# KiCad board SUPAAAA_KEYBOARD.kicad_pcb
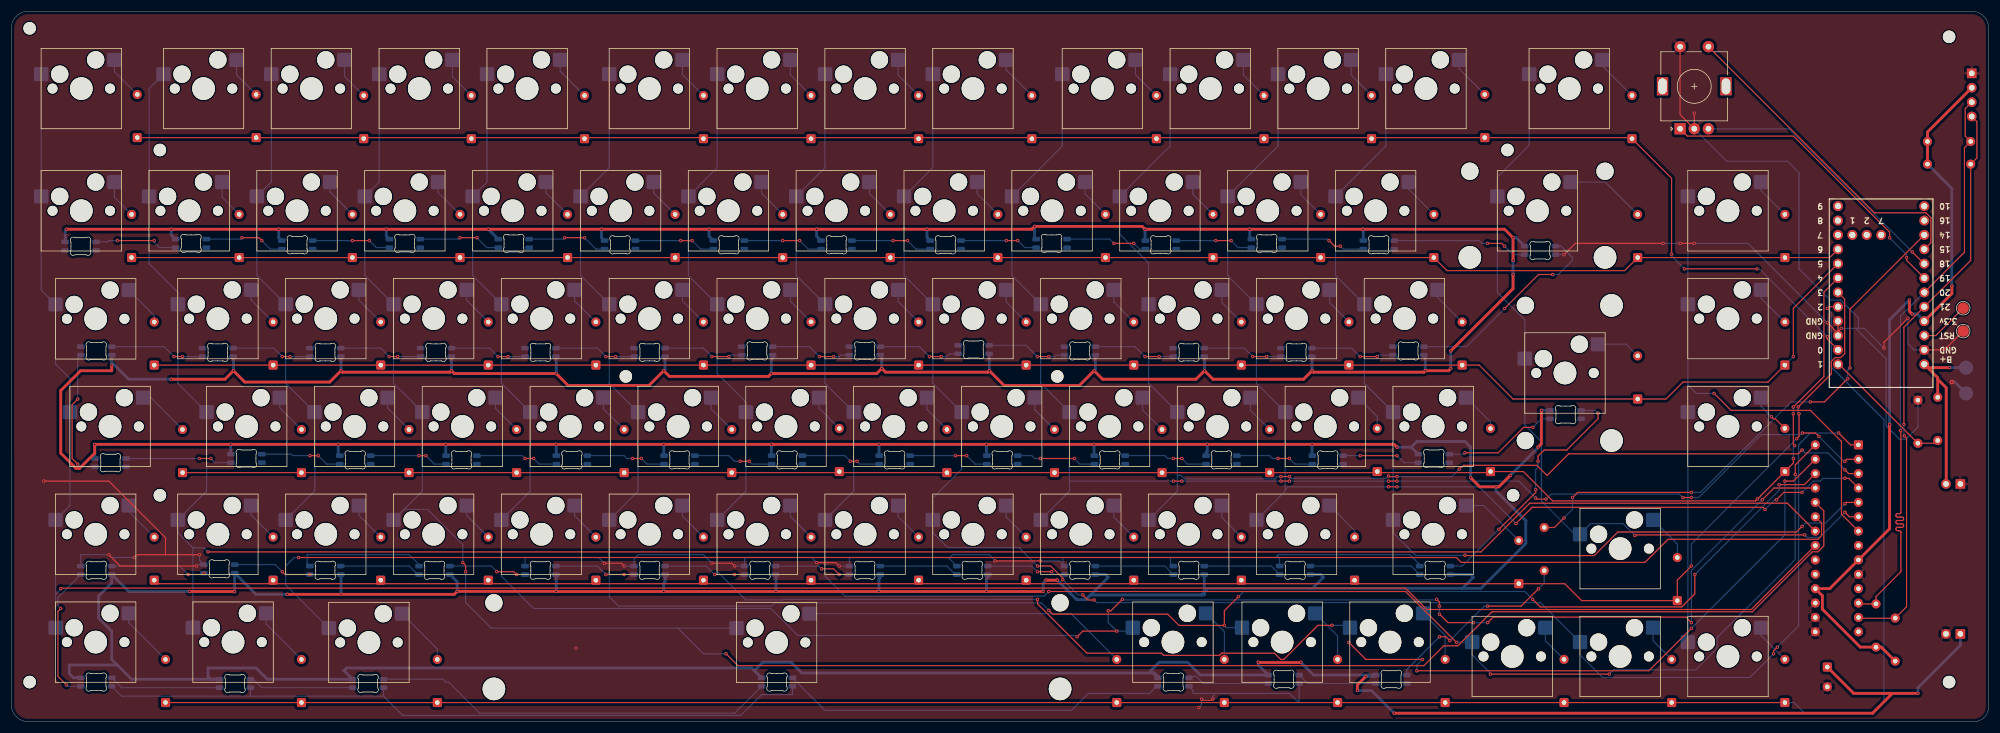
[diagram p0: board, top side]
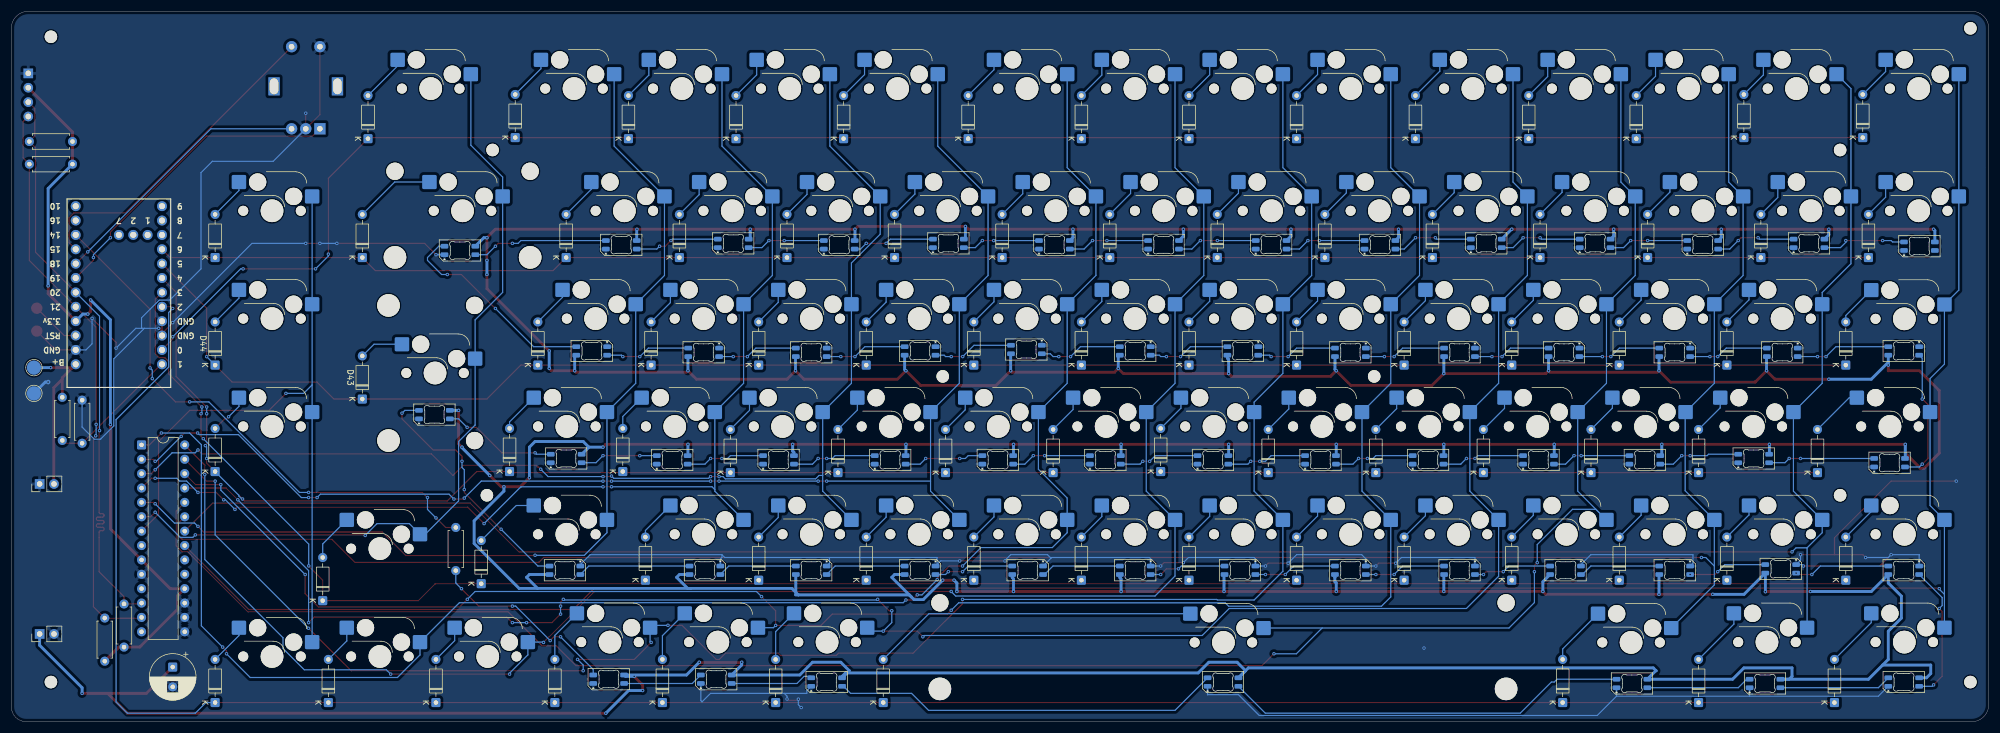
[diagram p1: board, bottom side, seen from below]

Outline 349.23 x 125.5 mm; copper layers: Top, Bottom. Coordinates in mm from the lower left corner of the outline.
Outline path: 0,122.5 arc(0.88,124.62) 3,125.5 346.23,125.5 arc(348.35,124.62) 349.23,122.5 349.23,2.62 arc(348.46,0.77) 346.61,0 3,0 arc(0.88,0.88) 0,3 0,122.5

## Placement (name value [footprint] x y rotation side)
C2  470 uf  [CP_Radial_D8.0mm_P3.50mm]  320.73 9.65 270 bottom
D1  D  [D_DO-35_SOD27_P7.62mm_Horizontal]  22.24 103.19 90 bottom
D2  D  [D_DO-35_SOD27_P7.62mm_Horizontal]  43.24 103.19 90 bottom
D3  D  [D_DO-35_SOD27_P7.62mm_Horizontal]  62.24 103 90 bottom
D4  D  [D_DO-35_SOD27_P7.62mm_Horizontal]  81.24 103 90 bottom
D5  D  [D_DO-35_SOD27_P7.62mm_Horizontal]  101.24 103 90 bottom
D6  D  [D_DO-35_SOD27_P7.62mm_Horizontal]  122.24 103 90 bottom
D7  D  [D_DO-35_SOD27_P7.62mm_Horizontal]  141.24 103 90 bottom
D8  D  [D_DO-35_SOD27_P7.62mm_Horizontal]  160.24 103 90 bottom
D9  D  [D_DO-35_SOD27_P7.62mm_Horizontal]  180.24 103 90 bottom
D10  D  [D_DO-35_SOD27_P7.62mm_Horizontal]  202.24 103 90 bottom
D11  D  [D_DO-35_SOD27_P7.62mm_Horizontal]  221.24 103 90 bottom
D12  D  [D_DO-35_SOD27_P7.62mm_Horizontal]  240.24 103 90 bottom
D13  D  [D_DO-35_SOD27_P7.62mm_Horizontal]  260.24 103.19 90 bottom
D14  D  [D_DO-35_SOD27_P7.62mm_Horizontal]  286.24 103 90 bottom
D15  D  [D_DO-35_SOD27_P7.62mm_Horizontal]  21.24 82 90 bottom
D16  D  [D_DO-35_SOD27_P7.62mm_Horizontal]  40.24 82 90 bottom
D17  D  [D_DO-35_SOD27_P7.62mm_Horizontal]  60.24 82 90 bottom
D18  D  [D_DO-35_SOD27_P7.62mm_Horizontal]  79.24 82 90 bottom
D19  D  [D_DO-35_SOD27_P7.62mm_Horizontal]  98.24 82 90 bottom
D20  D  [D_DO-35_SOD27_P7.62mm_Horizontal]  117.24 82 90 bottom
D21  D  [D_DO-35_SOD27_P7.62mm_Horizontal]  136.24 82 90 bottom
D22  D  [D_DO-35_SOD27_P7.62mm_Horizontal]  155.24 82 90 bottom
D23  D  [D_DO-35_SOD27_P7.62mm_Horizontal]  174.24 82 90 bottom
D24  D  [D_DO-35_SOD27_P7.62mm_Horizontal]  193.24 82 90 bottom
D25  D  [D_DO-35_SOD27_P7.62mm_Horizontal]  212.24 82 90 bottom
D26  D  [D_DO-35_SOD27_P7.62mm_Horizontal]  231.24 82 90 bottom
D27  D  [D_DO-35_SOD27_P7.62mm_Horizontal]  251.24 82 90 bottom
D28  D  [D_DO-35_SOD27_P7.62mm_Horizontal]  287.24 82 90 bottom
D29  D  [D_DO-35_SOD27_P7.62mm_Horizontal]  313.24 82 90 bottom
D30  D  [D_DO-35_SOD27_P7.62mm_Horizontal]  25.24 63 90 bottom
D31  D  [D_DO-35_SOD27_P7.62mm_Horizontal]  46.24 63 90 bottom
D32  D  [D_DO-35_SOD27_P7.62mm_Horizontal]  65.24 63 90 bottom
D33  D  [D_DO-35_SOD27_P7.62mm_Horizontal]  84.24 63 90 bottom
D34  D  [D_DO-35_SOD27_P7.62mm_Horizontal]  103.24 63 90 bottom
D35  D  [D_DO-35_SOD27_P7.62mm_Horizontal]  122.24 63 90 bottom
D36  D  [D_DO-35_SOD27_P7.62mm_Horizontal]  141.24 63 90 bottom
D37  D  [D_DO-35_SOD27_P7.62mm_Horizontal]  160.24 63 90 bottom
D38  D  [D_DO-35_SOD27_P7.62mm_Horizontal]  179.24 63 90 bottom
D39  D  [D_DO-35_SOD27_P7.62mm_Horizontal]  198.24 63 90 bottom
D40  D  [D_DO-35_SOD27_P7.62mm_Horizontal]  217.24 63 90 bottom
D41  D  [D_DO-35_SOD27_P7.62mm_Horizontal]  236.24 63 90 bottom
D42  D  [D_DO-35_SOD27_P7.62mm_Horizontal]  256.24 63 90 bottom
D43  D  [D_DO-35_SOD27_P7.62mm_Horizontal]  287.24 57 90 bottom
D44  D  [D_DO-35_SOD27_P7.62mm_Horizontal]  313.24 63 90 bottom
D45  D  [D_DO-35_SOD27_P7.62mm_Horizontal]  30.24 44 90 bottom
D46  D  [D_DO-35_SOD27_P7.62mm_Horizontal]  51.24 44 90 bottom
D47  D  [D_DO-35_SOD27_P7.62mm_Horizontal]  70.24 44 90 bottom
D48  D  [D_DO-35_SOD27_P7.62mm_Horizontal]  89.24 44 90 bottom
D49  D  [D_DO-35_SOD27_P7.62mm_Horizontal]  108.24 44 90 bottom
D50  D  [D_DO-35_SOD27_P7.62mm_Horizontal]  127.24 44 90 bottom
D51  D  [D_DO-35_SOD27_P7.62mm_Horizontal]  146.24 44.19 90 bottom
D52  D  [D_DO-35_SOD27_P7.62mm_Horizontal]  165.24 44 90 bottom
D53  D  [D_DO-35_SOD27_P7.62mm_Horizontal]  184.24 44 90 bottom
D54  D  [D_DO-35_SOD27_P7.62mm_Horizontal]  203.24 44 90 bottom
D55  D  [D_DO-35_SOD27_P7.62mm_Horizontal]  222.24 44 90 bottom
D56  D  [D_DO-35_SOD27_P7.62mm_Horizontal]  241.24 44.19 90 bottom
D57  D  [D_DO-35_SOD27_P7.62mm_Horizontal]  261.24 44.19 90 bottom
D58  D  [D_DO-35_SOD27_P7.62mm_Horizontal]  313.24 44.19 90 bottom
D59  D  [D_DO-35_SOD27_P7.62mm_Horizontal]  25.24 25 90 bottom
D60  D  [D_DO-35_SOD27_P7.62mm_Horizontal]  46.24 25 90 bottom
D61  D  [D_DO-35_SOD27_P7.62mm_Horizontal]  65.24 25 90 bottom
D62  D  [D_DO-35_SOD27_P7.62mm_Horizontal]  84.24 25 90 bottom
D63  D  [D_DO-35_SOD27_P7.62mm_Horizontal]  103.24 25 90 bottom
D64  D  [D_DO-35_SOD27_P7.62mm_Horizontal]  122.24 25 90 bottom
D65  D  [D_DO-35_SOD27_P7.62mm_Horizontal]  141.24 25 90 bottom
D66  D  [D_DO-35_SOD27_P7.62mm_Horizontal]  160.24 25 90 bottom
D67  D  [D_DO-35_SOD27_P7.62mm_Horizontal]  179.24 25 90 bottom
D68  D  [D_DO-35_SOD27_P7.62mm_Horizontal]  198.24 25 90 bottom
D69  D  [D_DO-35_SOD27_P7.62mm_Horizontal]  217.24 25 90 bottom
D70  D  [D_DO-35_SOD27_P7.62mm_Horizontal]  237.24 25 90 bottom
D71  D  [D_DO-35_SOD27_P7.62mm_Horizontal]  266.24 24.38 90 bottom
D72  D  [D_DO-35_SOD27_P7.62mm_Horizontal]  294.24 21.38 90 bottom
D73  D  [D_DO-35_SOD27_P7.62mm_Horizontal]  313.24 3.38 90 bottom
D74  D  [D_DO-35_SOD27_P7.62mm_Horizontal]  27.24 3.38 90 bottom
D75  D  [D_DO-35_SOD27_P7.62mm_Horizontal]  51.24 3.38 90 bottom
D76  D  [D_DO-35_SOD27_P7.62mm_Horizontal]  75.24 3.38 90 bottom
D77  D  [D_DO-35_SOD27_P7.62mm_Horizontal]  195.24 3.38 90 bottom
D78  D  [D_DO-35_SOD27_P7.62mm_Horizontal]  214.24 3.38 90 bottom
D79  D  [D_DO-35_SOD27_P7.62mm_Horizontal]  234.24 3.38 90 bottom
D80  D  [D_DO-35_SOD27_P7.62mm_Horizontal]  253.24 3.38 90 bottom
D81  D  [D_DO-35_SOD27_P7.62mm_Horizontal]  274.24 3.38 90 bottom
D82  D  [D_DO-35_SOD27_P7.62mm_Horizontal]  293.24 3.38 90 bottom
H1  MountingHole  [MountingHole_2.2mm_M2]  264.24 101 0 top
H2  MountingHole  [MountingHole_2.2mm_M2]  26.24 40 0 top
H3  MountingHole  [MountingHole_2.2mm_M2]  265.24 40 0 top
H4  MountingHole  [MountingHole_2.2mm_M2]  26.24 101 0 top
H5  MountingHole  [MountingHole_2.2mm_M2]  342.24 121 0 top
H6  MountingHole  [MountingHole_2.2mm_M2]  3.23 7 0 top
H7  MountingHole  [MountingHole_2.2mm_M2]  342.24 7 0 top
H8  MountingHole  [MountingHole_2.2mm_M2]  3.23 122.5 0 top
H9  MountingHole  [MountingHole_2.2mm_M2]  108.53 61 0 top
H10  MountingHole  [MountingHole_2.2mm_M2]  184.73 61 0 top
J1  -  [OLED_128x32]  347.84 104.74 180 top
J2  Conn_01x02_Pin  [PinHeader_1x02_P2.54mm_Vertical]  344.23 42 90 bottom
J3  Conn_01x02_Pin  [PinHeader_1x02_P2.54mm_Vertical]  344.23 15.5 90 bottom
LD1  SK6812MINI-E  [LED_SK6812MINI-E_3.2x2.8mm_P1.5mm_ReverseMount]  243.73 7.5 180 bottom
LD2  SK6812MINI-E  [LED_SK6812MINI-E_3.2x2.8mm_P1.5mm_ReverseMount]  224.73 7.5 180 bottom
LD3  SK6812MINI-E  [LED_SK6812MINI-E_3.2x2.8mm_P1.5mm_ReverseMount]  205.23 7 180 bottom
LD4  SK6812MINI-E  [LED_SK6812MINI-E_3.2x2.8mm_P1.5mm_ReverseMount]  135.23 7 180 bottom
LD5  SK6812MINI-E  [LED_SK6812MINI-E_3.2x2.8mm_P1.5mm_ReverseMount]  63.01 6.75 180 bottom
LD6  SK6812MINI-E  [LED_SK6812MINI-E_3.2x2.8mm_P1.5mm_ReverseMount]  39.51 6.75 180 bottom
LD7  SK6812MINI-E  [LED_SK6812MINI-E_3.2x2.8mm_P1.5mm_ReverseMount]  15.01 7 180 bottom
LD8  SK6812MINI-E  [LED_SK6812MINI-E_3.2x2.8mm_P1.5mm_ReverseMount]  15.01 26.75 0 bottom
LD9  SK6812MINI-E  [LED_SK6812MINI-E_3.2x2.8mm_P1.5mm_ReverseMount]  36.73 27 0 bottom
LD10  SK6812MINI-E  [LED_SK6812MINI-E_3.2x2.8mm_P1.5mm_ReverseMount]  55.46 26.75 0 bottom
LD11  SK6812MINI-E  [LED_SK6812MINI-E_3.2x2.8mm_P1.5mm_ReverseMount]  74.73 26.75 0 bottom
LD12  SK6812MINI-E  [LED_SK6812MINI-E_3.2x2.8mm_P1.5mm_ReverseMount]  93.46 26.75 0 bottom
LD13  SK6812MINI-E  [LED_SK6812MINI-E_3.2x2.8mm_P1.5mm_ReverseMount]  112.73 26.75 0 bottom
LD14  SK6812MINI-E  [LED_SK6812MINI-E_3.2x2.8mm_P1.5mm_ReverseMount]  132.23 26.75 0 bottom
LD15  SK6812MINI-E  [LED_SK6812MINI-E_3.2x2.8mm_P1.5mm_ReverseMount]  150.73 26.75 0 bottom
LD16  SK6812MINI-E  [LED_SK6812MINI-E_3.2x2.8mm_P1.5mm_ReverseMount]  169.73 26.75 0 bottom
LD17  SK6812MINI-E  [LED_SK6812MINI-E_3.2x2.8mm_P1.5mm_ReverseMount]  188.73 26.75 0 bottom
LD18  SK6812MINI-E  [LED_SK6812MINI-E_3.2x2.8mm_P1.5mm_ReverseMount]  207.96 26.75 0 bottom
LD19  SK6812MINI-E  [LED_SK6812MINI-E_3.2x2.8mm_P1.5mm_ReverseMount]  226.73 26.75 0 bottom
LD20  SK6812MINI-E  [LED_SK6812MINI-E_3.2x2.8mm_P1.5mm_ReverseMount]  251.46 26.75 0 bottom
LD21  SK6812MINI-E  [LED_SK6812MINI-E_3.2x2.8mm_P1.5mm_ReverseMount]  274.51 54.25 180 bottom
LD22  SK6812MINI-E  [LED_SK6812MINI-E_3.2x2.8mm_P1.5mm_ReverseMount]  251.23 46.5 180 bottom
LD23  SK6812MINI-E  [LED_SK6812MINI-E_3.2x2.8mm_P1.5mm_ReverseMount]  232.51 46.25 180 bottom
LD24  SK6812MINI-E  [LED_SK6812MINI-E_3.2x2.8mm_P1.5mm_ReverseMount]  213.73 46.25 180 bottom
LD25  SK6812MINI-E  [LED_SK6812MINI-E_3.2x2.8mm_P1.5mm_ReverseMount]  194.01 46.25 180 bottom
LD26  SK6812MINI-E  [LED_SK6812MINI-E_3.2x2.8mm_P1.5mm_ReverseMount]  175.01 46.25 180 bottom
LD27  SK6812MINI-E  [LED_SK6812MINI-E_3.2x2.8mm_P1.5mm_ReverseMount]  156.01 46.25 180 bottom
LD28  SK6812MINI-E  [LED_SK6812MINI-E_3.2x2.8mm_P1.5mm_ReverseMount]  137.01 46.25 180 bottom
LD29  SK6812MINI-E  [LED_SK6812MINI-E_3.2x2.8mm_P1.5mm_ReverseMount]  118.01 46.25 180 bottom
LD30  SK6812MINI-E  [LED_SK6812MINI-E_3.2x2.8mm_P1.5mm_ReverseMount]  99.01 46.25 180 bottom
LD31  SK6812MINI-E  [LED_SK6812MINI-E_3.2x2.8mm_P1.5mm_ReverseMount]  79.51 46.25 180 bottom
LD32  SK6812MINI-E  [LED_SK6812MINI-E_3.2x2.8mm_P1.5mm_ReverseMount]  60.73 46.25 180 bottom
LD33  SK6812MINI-E  [LED_SK6812MINI-E_3.2x2.8mm_P1.5mm_ReverseMount]  41.51 46.5 180 bottom
LD34  SK6812MINI-E  [LED_SK6812MINI-E_3.2x2.8mm_P1.5mm_ReverseMount]  17.51 45.75 180 bottom
LD35  SK6812MINI-E  [LED_SK6812MINI-E_3.2x2.8mm_P1.5mm_ReverseMount]  15.01 65.5 0 bottom
LD36  SK6812MINI-E  [LED_SK6812MINI-E_3.2x2.8mm_P1.5mm_ReverseMount]  36.46 65.25 0 bottom
LD37  SK6812MINI-E  [LED_SK6812MINI-E_3.2x2.8mm_P1.5mm_ReverseMount]  55.46 65.25 0 bottom
LD38  SK6812MINI-E  [LED_SK6812MINI-E_3.2x2.8mm_P1.5mm_ReverseMount]  75.01 65.25 0 bottom
LD39  SK6812MINI-E  [LED_SK6812MINI-E_3.2x2.8mm_P1.5mm_ReverseMount]  93.46 65.25 0 bottom
LD40  SK6812MINI-E  [LED_SK6812MINI-E_3.2x2.8mm_P1.5mm_ReverseMount]  112.73 65.25 0 bottom
LD41  SK6812MINI-E  [LED_SK6812MINI-E_3.2x2.8mm_P1.5mm_ReverseMount]  131.73 65.5 0 bottom
LD42  SK6812MINI-E  [LED_SK6812MINI-E_3.2x2.8mm_P1.5mm_ReverseMount]  150.73 65.5 0 bottom
LD43  SK6812MINI-E  [LED_SK6812MINI-E_3.2x2.8mm_P1.5mm_ReverseMount]  169.96 65.75 0 bottom
LD44  SK6812MINI-E  [LED_SK6812MINI-E_3.2x2.8mm_P1.5mm_ReverseMount]  188.73 65.5 0 bottom
LD45  SK6812MINI-E  [LED_SK6812MINI-E_3.2x2.8mm_P1.5mm_ReverseMount]  207.96 65.25 0 bottom
LD46  SK6812MINI-E  [LED_SK6812MINI-E_3.2x2.8mm_P1.5mm_ReverseMount]  226.96 65.25 0 bottom
LD47  SK6812MINI-E  [LED_SK6812MINI-E_3.2x2.8mm_P1.5mm_ReverseMount]  246.73 65.5 0 bottom
LD48  SK6812MINI-E  [LED_SK6812MINI-E_3.2x2.8mm_P1.5mm_ReverseMount]  270.01 83.25 180 bottom
LD49  SK6812MINI-E  [LED_SK6812MINI-E_3.2x2.8mm_P1.5mm_ReverseMount]  241.51 84.25 180 bottom
LD50  SK6812MINI-E  [LED_SK6812MINI-E_3.2x2.8mm_P1.5mm_ReverseMount]  221.73 84.5 180 bottom
LD51  SK6812MINI-E  [LED_SK6812MINI-E_3.2x2.8mm_P1.5mm_ReverseMount]  203.01 84.25 180 bottom
LD52  SK6812MINI-E  [LED_SK6812MINI-E_3.2x2.8mm_P1.5mm_ReverseMount]  183.73 84.5 180 bottom
LD53  SK6812MINI-E  [LED_SK6812MINI-E_3.2x2.8mm_P1.5mm_ReverseMount]  165.01 84.25 180 bottom
LD54  SK6812MINI-E  [LED_SK6812MINI-E_3.2x2.8mm_P1.5mm_ReverseMount]  145.73 84.25 180 bottom
LD55  SK6812MINI-E  [LED_SK6812MINI-E_3.2x2.8mm_P1.5mm_ReverseMount]  126.73 84.25 180 bottom
LD56  SK6812MINI-E  [LED_SK6812MINI-E_3.2x2.8mm_P1.5mm_ReverseMount]  107.51 84.25 180 bottom
LD57  SK6812MINI-E  [LED_SK6812MINI-E_3.2x2.8mm_P1.5mm_ReverseMount]  88.73 84.5 180 bottom
LD58  SK6812MINI-E  [LED_SK6812MINI-E_3.2x2.8mm_P1.5mm_ReverseMount]  69.51 84.5 180 bottom
LD59  SK6812MINI-E  [LED_SK6812MINI-E_3.2x2.8mm_P1.5mm_ReverseMount]  50.51 84.25 180 bottom
LD60  SK6812MINI-E  [LED_SK6812MINI-E_3.2x2.8mm_P1.5mm_ReverseMount]  31.73 84.5 180 bottom
LD61  SK6812MINI-E  [LED_SK6812MINI-E_3.2x2.8mm_P1.5mm_ReverseMount]  12.23 84 180 bottom
R1  330  [R_Axial_DIN0207_L6.3mm_D2.5mm_P7.62mm_Horizontal]  270.73 34.31 270 bottom
R2  4.7K  [R_Axial_DIN0207_L6.3mm_D2.5mm_P7.62mm_Horizontal]  338.43 98.5 0 bottom
R3  4.7K  [R_Axial_DIN0207_L6.3mm_D2.5mm_P7.62mm_Horizontal]  338.43 102.5 0 bottom
R4  820K  [R_Axial_DIN0207_L6.3mm_D2.5mm_P7.62mm_Horizontal]  340.23 57.31 270 bottom
R5  2M  [R_Axial_DIN0207_L6.3mm_D2.5mm_P7.62mm_Horizontal]  336.73 49.19 90 bottom
R6  4.7K  [R_Axial_DIN0207_L6.3mm_D2.5mm_P7.62mm_Horizontal]  332.73 10.69 90 bottom
R7  4.7K  [R_Axial_DIN0207_L6.3mm_D2.5mm_P7.62mm_Horizontal]  329.33 13.18 90 bottom
ST1  MountingHole  [Stabilizer_MX_6.25u]  135.23 14.01 0 top
ST2  MountingHole  [Stabilizer_MX_2.00u]  269.54 90.26 0 top
ST3  MountingHole  [Stabilizer_MX_2.00u]  274.39 61.6 90 top
SW1  SW_Push  [Hotswap_MX_1.00u]  12.36 111.85 0 top
SW2  SW_Push  [Hotswap_MX_1.00u]  33.95 111.85 0 top
SW3  SW_Push  [Hotswap_MX_1.00u]  53 111.85 0 top
SW4  SW_Push  [Hotswap_MX_1.00u]  72.05 111.85 0 top
SW5  SW_Push  [Hotswap_MX_1.00u]  91.1 111.85 0 top
SW6  SW_Push  [Hotswap_MX_1.00u]  112.69 111.85 0 top
SW7  SW_Push  [Hotswap_MX_1.00u]  131.74 111.85 0 top
SW8  SW_Push  [Hotswap_MX_1.00u]  150.79 111.85 0 top
SW9  SW_Push  [Hotswap_MX_1.00u]  169.84 111.85 0 top
SW10  SW_Push  [Hotswap_MX_1.00u]  192.7 111.85 0 top
SW11  SW_Push  [Hotswap_MX_1.00u]  211.75 111.85 0 top
SW12  SW_Push  [Hotswap_MX_1.00u]  230.8 111.85 0 top
SW13  SW_Push  [Hotswap_MX_1.00u]  249.85 111.85 0 top
SW14  SW_Push  [Hotswap_MX_1.00u]  275.16 111.85 0 top
SW15  SW_Push  [Hotswap_MX_1.00u]  12.36 90.26 0 top
SW16  SW_Push  [Hotswap_MX_1.00u]  31.41 90.26 0 top
SW17  SW_Push  [Hotswap_MX_1.00u]  50.46 90.26 0 top
SW18  SW_Push  [Hotswap_MX_1.00u]  69.51 90.26 0 top
SW19  SW_Push  [Hotswap_MX_1.00u]  88.56 90.26 0 top
SW20  SW_Push  [Hotswap_MX_1.00u]  107.61 90.26 0 top
SW21  SW_Push  [Hotswap_MX_1.00u]  126.66 90.26 0 top
SW22  SW_Push  [Hotswap_MX_1.00u]  145.71 90.26 0 top
SW23  SW_Push  [Hotswap_MX_1.00u]  164.76 90.26 0 top
SW24  SW_Push  [Hotswap_MX_1.00u]  183.81 90.26 0 top
SW25  SW_Push  [Hotswap_MX_1.00u]  202.86 90.26 0 top
SW26  SW_Push  [Hotswap_MX_1.00u]  221.91 90.26 0 top
SW27  SW_Push  [Hotswap_MX_1.00u]  240.96 90.26 0 top
SW28  SW_Push  [Hotswap_MX_2.00u]  269.54 90.26 0 top
SW29  SW_Push  [Hotswap_MX_1.00u]  303.19 90.26 0 top
SW30  SW_Push  [Hotswap_MX_1.25u]  14.9 71.17 0 top
SW31  SW_Push  [Hotswap_MX_1.00u]  36.49 71.21 0 top
SW32  SW_Push  [Hotswap_MX_1.00u]  55.54 71.21 0 top
SW33  SW_Push  [Hotswap_MX_1.00u]  74.59 71.21 0 top
SW34  SW_Push  [Hotswap_MX_1.00u]  93.64 71.21 0 top
SW35  SW_Push  [Hotswap_MX_1.00u]  112.69 71.21 0 top
SW36  SW_Push  [Hotswap_MX_1.00u]  131.74 71.21 0 top
SW37  SW_Push  [Hotswap_MX_1.00u]  150.79 71.21 0 top
SW38  SW_Push  [Hotswap_MX_1.00u]  169.84 71.21 0 top
SW39  SW_Push  [Hotswap_MX_1.00u]  188.89 71.21 0 top
SW40  SW_Push  [Hotswap_MX_1.00u]  207.94 71.21 0 top
SW41  SW_Push  [Hotswap_MX_1.00u]  226.99 71.21 0 top
SW42  SW_Push  [Hotswap_MX_1.00u]  246.04 71.21 0 top
SW43  SW_Push  [Hotswap_MX_ISOEnter]  274.4 61.6 0 top
SW44  SW_Push  [Hotswap_MX_1.00u]  303.19 71.21 0 top
SW45  SW_Push  [Hotswap_MX_1.50u]  17.44 52.16 0 top
SW46  SW_Push  [Hotswap_MX_1.00u]  41.57 52.16 0 top
SW47  SW_Push  [Hotswap_MX_1.00u]  60.62 52.16 0 top
SW48  SW_Push  [Hotswap_MX_1.00u]  79.67 52.16 0 top
SW49  SW_Push  [Hotswap_MX_1.00u]  98.72 52.16 0 top
SW50  SW_Push  [Hotswap_MX_1.00u]  117.77 52.16 0 top
SW51  SW_Push  [Hotswap_MX_1.00u]  136.82 52.16 0 top
SW52  SW_Push  [Hotswap_MX_1.00u]  155.87 52.16 0 top
SW53  SW_Push  [Hotswap_MX_1.00u]  174.92 52.16 0 top
SW54  SW_Push  [Hotswap_MX_1.00u]  193.97 52.16 0 top
SW55  SW_Push  [Hotswap_MX_1.00u]  213.02 52.16 0 top
SW56  SW_Push  [Hotswap_MX_1.00u]  232.07 52.16 0 top
SW57  SW_Push  [Hotswap_MX_1.00u]  251.12 52.16 0 top
SW58  SW_Push  [Hotswap_MX_1.00u]  303.19 52.16 0 top
SW59  SW_Push  [Hotswap_MX_1.25u]  14.9 33.11 0 top
SW60  SW_Push  [Hotswap_MX_1.00u]  36.49 33.11 0 top
SW61  SW_Push  [Hotswap_MX_1.00u]  55.54 33.11 0 top
SW62  SW_Push  [Hotswap_MX_1.00u]  74.59 33.11 0 top
SW63  SW_Push  [Hotswap_MX_1.00u]  93.64 33.11 0 top
SW64  SW_Push  [Hotswap_MX_1.00u]  112.69 33.11 0 top
SW65  SW_Push  [Hotswap_MX_1.00u]  131.74 33.11 0 top
SW66  SW_Push  [Hotswap_MX_1.00u]  150.79 33.11 0 top
SW67  SW_Push  [Hotswap_MX_1.00u]  169.84 33.11 0 top
SW68  SW_Push  [Hotswap_MX_1.00u]  188.89 33.11 0 top
SW69  SW_Push  [Hotswap_MX_1.00u]  207.94 33.11 0 top
SW70  SW_Push  [Hotswap_MX_1.00u]  226.99 33.11 0 top
SW71  SW_Push  [Hotswap_MX_1.50u]  251.12 33.11 0 top
SW72  SW_Push  [Hotswap_MX_1.00u]  284.14 30.57 0 top
SW73  SW_Push  [Hotswap_MX_1.00u]  303.19 11.52 0 top
SW74  SW_Push  [Hotswap_MX_1.25u]  14.9 14.06 0 top
SW75  SW_Push  [Hotswap_MX_1.25u]  39.16 14.06 0 top
SW76  SW_Push  [Hotswap_MX_1.25u]  63.16 14 0 top
SW77  SW_Push  [Hotswap_MX_6.25u]  135.16 14 0 top
SW78  SW_Push  [Hotswap_MX_1.00u]  205.16 14.06 0 top
SW79  SW_Push  [Hotswap_MX_1.00u]  224.45 14.06 0 top
SW80  SW_Push  [Hotswap_MX_1.00u]  243.5 14.06 0 top
SW81  SW_Push  [Hotswap_MX_1.00u]  265.09 11.52 0 top
SW82  SW_Push  [Hotswap_MX_1.00u]  284.14 11.52 0 top
SW85  RotaryEncoder_Switch  [RotaryEncoder_Alps_EC11E-Switch_Vertical_H20mm]  294.73 104.75 90 top
TP1  TestPoint  [TestPoint_Pad_D2.5mm]  345.24 62.55 180 bottom
TP2  TestPoint  [TestPoint_Pad_D2.5mm]  345.24 58 180 bottom
TP3  TestPoint  [TestPoint_Pad_D2.0mm]  344.73 73.05 0 top
TP4  TestPoint  [TestPoint_Pad_D2.0mm]  344.73 69 0 top
U2  -  [Nice_Nano_V2]  330.24 76.83 0 bottom
U3  MCP23017x-x-SP  [DIP-28_W7.62mm]  326.23 48.9 180 bottom

## Library data of the parts
C2 = -: Description: Unpolarized capacitor; KiLib_Generator: capacitor/THT/other; ki_fp_filters: C_*
D1-D82 = -: Description: Diode; KiLib_Generator: diode/THT; Sim.Pins: 1=K 2=A; ki_fp_filters: TO-???* *_Diode_* *SingleDiode* D_*
H1-H10 = -: Description: Mounting Hole without connection; KiLib_Generator: mounting_hardware/mounting_hole; ki_fp_filters: MountingHole*
J2 J3 = -: Description: Generic connector, single row, 01x02, script generated; KiLib_Generator: connector/pin_header_socket; ki_fp_filters: Connector*:*_1x??_*
LD1-LD61 = -: Datasheet: https://www.lcsc.com/datasheet/C5149201.pdf; Description: RGB LED with integrated controller; ki_fp_filters: LED?SK6812MINI?E?3.2x2.8mm?P1.5mm*
R1-R7 = -: Description: Resistor; KiLib_Generator: resistor/THT; ki_fp_filters: R_*
ST1-ST3 = -: Description: Mounting Hole without connection; ki_fp_filters: MountingHole*
SW1-SW82 = -: Description: Push button switch, generic, two pins
SW85 = -: Description: Rotary encoder, dual channel, incremental quadrate outputs, with switch; ki_fp_filters: RotaryEncoder*Switch*
TP1-TP4 = -: Description: test point; ki_fp_filters: Pin* Test*
U3 = -: Datasheet: https://ww1.microchip.com/downloads/aemDocuments/documents/APID/ProductDocuments/DataSheets/MCP23017-Data-Sheet-DS20001952.pdf; Description: 16-bit I/O expander, I2C, interrupts, w pull-ups, SPDIP-28; KiLib_Generator: package/DIP/legacy; ki_fp_filters: DIP*W7.62mm*

## Footprints (pads in the part's own frame, mm; a bottom-side part is the same pattern mirrored in y, then rotated)
CP_Radial_D8.0mm_P3.50mm
  rrect 1.6x1.6 hole 0.8: 1(0,0)
  round 1.6 hole 0.8: 2(3.5,0)
D_DO-35_SOD27_P7.62mm_Horizontal
  rrect 1.6x1.6 hole 0.8: 1(0,0)
  round 1.6 hole 0.8: 2(7.62,0)
DIP-28_W7.62mm
  rrect 1.6x1.6 hole 0.8: 1(0,0)
  round 1.6 hole 0.8: 2(0,-2.54) 3(0,-5.08) 4(0,-7.62) 5(0,-10.16) 6(0,-12.7) 7(0,-15.24) 8(0,-17.78) 9(0,-20.32) 10(0,-22.86) 11(0,-25.4) 12(0,-27.94) 13(0,-30.48) 14(0,-33.02) 15(7.62,-33.02) 16(7.62,-30.48) 17(7.62,-27.94) 18(7.62,-25.4) 19(7.62,-22.86) 20(7.62,-20.32) 21(7.62,-17.78) 22(7.62,-15.24) 23(7.62,-12.7) 24(7.62,-10.16) 25(7.62,-7.62) 26(7.62,-5.08) 27(7.62,-2.54) 28(7.62,0)
Hotswap_MX_1.00u
  round 1.75 hole 1.75 unplated: (-5.08,0) (5.08,0)
  round 3.05 hole 3.05 unplated: (-3.81,2.54) (2.54,5.08)
  round 4 hole 4 unplated: (0,0)
  rrect 2.55x2.5 smd far side: 1(-7.085,2.54) 2(5.842,5.08)
Hotswap_MX_1.25u
  round 1.75 hole 1.75 unplated: (-5.08,0) (5.08,0)
  round 3.05 hole 3.05 unplated: (-3.81,2.54) (2.54,5.08)
  round 4 hole 4 unplated: (0,0)
  rrect 2.55x2.5 smd far side: 1(-7.085,2.54) 2(5.842,5.08)
Hotswap_MX_1.50u
  round 1.75 hole 1.75 unplated: (-5.08,0) (5.08,0)
  round 3.05 hole 3.05 unplated: (-3.81,2.54) (2.54,5.08)
  round 4 hole 4 unplated: (0,0)
  rrect 2.55x2.5 smd far side: 1(-7.085,2.54) 2(5.842,5.08)
Hotswap_MX_2.00u
  round 1.75 hole 1.75 unplated: (-5.08,0) (5.08,0)
  round 3.05 hole 3.05 unplated: (-3.81,2.54) (2.54,5.08)
  round 4 hole 4 unplated: (0,0)
  rrect 2.55x2.5 smd far side: 1(-7.085,2.54) 2(5.842,5.08)
Hotswap_MX_6.25u
  round 1.75 hole 1.75 unplated: (-5.08,0) (5.08,0)
  round 3.05 hole 3.05 unplated: (-3.81,2.54) (2.54,5.08)
  round 4 hole 4 unplated: (0,0)
  rrect 2.55x2.5 smd far side: 1(-7.085,2.54) 2(5.842,5.08)
Hotswap_MX_ISOEnter
  round 1.75 hole 1.75 unplated: (-5.08,0) (5.08,0)
  round 3.05 hole 3.05 unplated: (-3.81,2.54) (2.54,5.08)
  round 4 hole 4 unplated: (0,0)
  rrect 2.55x2.5 smd far side: 1(-7.085,2.54) 2(5.842,5.08)
LED_SK6812MINI-E_3.2x2.8mm_P1.5mm_ReverseMount
  rrect 1.35x0.82 smd: 1(-2.725,-0.75) 2(-2.725,0.75) 3(2.725,0.75) 4(2.725,-0.75)
MountingHole_2.2mm_M2
  round 2.2 hole 2.2 unplated: (0,0)
Nice_Nano_V2
  round 1.753 hole 1.092: 1(-7.62,13.69) 2(-7.62,11.15) 3(-7.62,8.61) 4(-7.62,6.07) 5(-7.62,3.53) 6(-7.62,0.99) 7(-7.62,-1.55) 8(-7.62,-4.09) 9(-7.62,-6.63) 10(-7.62,-9.17) 11(-7.62,-11.71) 12(-7.62,-14.25) 13(7.62,-14.25) 14(7.62,-11.71) 15(7.62,-9.17) 16(7.62,-6.63) 17(7.62,-4.09) 18(7.62,-1.55) 19(7.62,0.99) 20(7.62,3.53) 21(7.62,6.07) 22(7.62,8.61) 23(7.62,11.15) 24(7.62,13.69) 25(-5.08,-9.17) 26(-2.54,-9.17) 27(0,-9.17)
OLED_128x32
  rect 1.7x1.7 hole 1: 1(1.6,-9.8)
  oval 1.7x1.7 hole 1: 2(1.6,-7.26) 3(1.6,-4.72) 4(1.6,-2.18)
PinHeader_1x02_P2.54mm_Vertical
  rect 1.7x1.7 hole 1: 1(0,0)
  round 1.7 hole 1: 2(0,-2.54)
R_Axial_DIN0207_L6.3mm_D2.5mm_P7.62mm_Horizontal
  round 1.6 hole 0.8: 1(0,0) 2(7.62,0)
RotaryEncoder_Alps_EC11E-Switch_Vertical_H20mm